# Allegro board BeagleBone AI -64_PCB_V1.02_211119.brd (continued)
## Copper pours and planes (outline as drawn; the poured copper is in the pictures) (continued)
VDD_CORE_0V8 on TOP: 22.51,28.45 22.51,31.6 22.05,32.06 16.41,32.06 16.24,31.88 16.24,31.17 16.49,30.91 17.28,30.91 17.35,30.99 20.73,30.99 20.99,30.74 20.99,29.64 20.73,29.39 17.89,29.39 17.74,29.24 17.74,29.06 17.86,28.93 20.48,28.93 21.24,28.17 22.23,28.17
VDD_CORE_0V8 on TOP: 33.31,17.71 34.65,17.71 35.19,18.24 36.89,18.24 37.09,18.04 37.09,16.26 36.79,15.95 33.33,15.95 32.85,16.44 32.85,17.25
VDD_CORE_0V8 on TOP: 48.27,33.71 46.62,33.71 46.23,33.33 44.53,33.33 44.25,33.61 44.25,34.95 44.61,35.31 48.27,35.31 48.6,34.98 48.6,34.04
VDD_CORE_0V8 on TOP: 48.14,17.86 46.03,17.86 45.6,18.29 43.9,18.29 43.57,17.96 43.57,16.61 43.95,16.23 48.19,16.23 48.52,16.56 48.52,17.48
VDD_CORE_0V8 on TOP: 37.42,35.23 32.65,35.23 32.39,34.98 32.39,33.91 32.59,33.71 34.93,33.71 35.26,33.38 37.34,33.38 37.6,33.63 37.6,35.05
VDD_CORE_0V8 on BOTTOM: 22.03,32.46 19.74,32.46 19.41,32.13 19.41,31.27 19.67,31.01 20.61,31.01 20.94,30.68 20.94,29.64 20.68,29.39 17.71,29.39 17.63,29.31 17.63,29.03 17.76,28.91 20.45,28.91 21.22,28.14 22.13,28.14 22.43,28.45 22.43,32.06
VDD_CORE_0V8 on L5-SIGNAL: 36.2,33.5 36.89,32.82 45.55,32.82 45.9,33.17 45.9,35.97 45.45,36.43 36.84,36.43 36.2,35.79
VDD_CORE_0V8 on L7-PWR/GND: -4.64,52.02 -7.56,54.94 -7.56,67.18 -7.33,67.41 -7.33,68.23 -7.69,68.58 -10.66,68.58 -14.65,64.59 -14.65,54.54 -12.26,52.15 -12.26,49.91 -10.89,48.54 -9.59,48.54 -9.32,48.26 -9.32,45.42 -8.48,44.58 -6.62,44.58 -6.5,44.71 -6.5,44.86 -6.39,44.96 -5.66,44.96 -4.74,44.05 -4.74,33.99 -7.89,30.84 -7.89,29.36 -6.83,28.3 33.56,28.3 35.36,30.1 35.36,32.67 35.92,33.22 45.55,33.22 45.83,33.5 45.83,36.45 45.02,37.26 36.02,37.26 34.47,38.81 3.69,38.81 1.58,40.92 1.58,50.62 0.18,52.02
VDD_CORE_0V8 on L10-SIGNAL: 45.98,15.6 36.79,15.6 35.74,16.64 35.74,22.18 36.48,22.91 46.01,22.91 46.69,22.23 46.69,16.31
VDD_CORE_0V8 on L12-SIGNAL: 40.95,18.19 40.95,20.22 40.27,20.91 40.27,29.49 36.33,33.43 36.33,35.82 36.68,36.17 45.29,36.17 49,32.46 49,15.52 48.67,15.19 39.55,15.19 38.94,15.8 36.68,15.8 35.77,16.71 35.77,17.91 36.02,18.16 37.32,18.16 37.55,17.93 40.7,17.93
VDD_CORE_0V8_REG_SW1 on TOP: 43.14,22.28 42.96,22.28 42.93,22.25 42.93,21.36 43.41,20.88 43.97,20.88 45.95,18.9 48.42,18.9 48.55,19.03 48.55,20.47 48.32,20.7 45.98,20.7 44.51,22.18 43.54,22.18 43.44,22.07 43.44,21.49 43.39,21.44 43.26,21.44 43.21,21.49 43.21,22.2
VDD_CORE_0V8_REG_SW2 on TOP: 37.06,22.2 36.13,22.2 34.96,21.03 33.08,21.03 32.72,20.68 32.72,19.1 32.98,18.85 34.63,18.85 36.66,20.88 37.22,20.88 37.73,21.39 37.73,22.23 37.67,22.28 37.45,22.28 37.42,22.25 37.42,21.49 37.37,21.44 37.24,21.44 37.22,21.46 37.22,22.05
VDD_CORE_0V8_REG_SW3 on TOP: 44.56,32.59 43.64,31.68 43.64,31.12 42.93,30.41 42.93,29.59 43.01,29.52 43.19,29.52 43.21,29.54 43.21,30.3 43.24,30.33 43.41,30.33 43.44,30.3 43.44,29.67 43.57,29.54 46.56,29.54 48.57,31.55 48.57,32.51 48.49,32.59
VDD_CORE_0V8_REG_SW4 on TOP: 37.7,29.57 37.7,30.53 37.55,30.68 36.84,30.68 36.15,31.37 36.15,32.03 35.62,32.56 32.75,32.56 32.67,32.49 32.67,31.17 32.77,31.07 34.73,31.07 36.28,29.52 37.14,29.52 37.22,29.59 37.22,30.28 37.24,30.3 37.42,30.3 37.45,30.28 37.45,29.57 37.5,29.52 37.65,29.52
VDD_CORE_RAM_0V85 on BOTTOM: 5.62,29.74 3.82,29.74 3.49,30.08 3.49,31.09 3.23,31.35 2.8,31.35 2.55,31.6 2.55,32.31 2.67,32.44 4.5,32.44 6,30.94 6,30.13
VDD_CORE_RAM_0V85 on L9-PWR/GND: -3.27,52.48 -3.27,51.03 -3.75,50.55 -4.51,50.55 -4.87,50.19 -4.87,48.41 -3.03,46.58 -2.52,46.58 -1.01,45.07 -1.01,41.58 -0.03,40.6 -0.03,37.35 4.38,32.95 4.38,31.62 4.04,31.29 2.5,31.29 -2.33,36.12 -2.33,43.51 -3.26,44.45 -3.96,44.45 -4.13,44.61 -4.13,44.61 -4.76,45.24 -5.53,45.24 -5.53,45.24 -6.73,45.24 -7.18,45.7 -7.18,49.51 -10.25,52.58 -10.25,53.09 -9.92,53.42 -6.98,53.42 -6.97,53.42 -4.21,53.42
VDD_CPU_AVS on TOP: 49.28,45.75 47.61,45.75 47.02,46.33 45.75,46.33 45.47,46.05 45.47,44.68 45.88,44.27 49.28,44.27 49.61,44.6 49.61,45.42
VDD_CPU_AVS on TOP: 11.72,61.14 11.72,64.09 11.84,64.21 12.35,64.21 12.53,64.03 12.53,61.19 12.93,60.78 12.93,59.89 13.29,59.54 14.48,59.54 14.99,60.05 14.99,61.6 14.74,61.85 13.77,61.85 13.54,62.08 13.54,62.74 13.75,62.94 14.81,62.94 15.3,63.43 15.3,65.76 14.99,66.07 9.46,66.07 9.1,65.71 9.1,64.62 8.36,63.88 8.36,63.17 8.26,63.07 7.3,63.07 7.17,62.94 7.17,61.6 7.55,61.22 9.05,61.22 9.23,61.04 9.23,59.54 9.35,59.41 11.56,59.41 11.87,59.72 11.87,60.99
VDD_CPU_AVS on TOP: 34.8,45.72 36.66,45.72 37.27,46.33 38.74,46.33 38.92,46.15 38.92,44.5 38.74,44.32 34.88,44.32 34.58,44.63 34.58,45.49
VDD_CPU_AVS on TOP: 49.28,61.77 47.63,61.77 47.25,61.39 45.55,61.39 45.27,61.67 45.27,63.02 45.62,63.37 49.28,63.37 49.61,63.04 49.61,62.1
VDD_CPU_AVS on BOTTOM: 27.11,54.31 21.44,54.31 21.16,54.59 21.16,55.5 21.62,55.96 27.11,55.96 27.41,55.65 27.41,54.61
VDD_CPU_AVS on L5-SIGNAL: -1.92,46.84 -4.08,46.84 -4.49,47.25 -4.49,51.64 -4.08,52.05 -3.75,52.05 -2.79,53.01 -0.55,53.01 -0.35,52.81 -0.35,48.9 -0.68,48.57 -1.39,48.57 -1.67,48.29 -1.67,47.09
VDD_CPU_AVS on L9-PWR/GND: -1.29,46.94 -2.81,46.94 -4.54,48.67 -4.54,49.68 -4.16,50.06 -3.75,50.06 -2.91,50.9 -2.91,58.14 2.57,63.63 15.58,63.63 20.91,58.29 31.2,58.29 35.97,53.52 40.32,53.52 42.35,51.49 42.35,48.97 42.53,48.79 45.04,48.79 47.35,46.48 47.35,44.91 46.97,44.53 36.46,44.53 34.52,46.46 34.52,47.73 30.32,51.93 30.33,51.94 30.33,53.39 29.42,54.31 16.24,54.31 12.66,50.73 0.31,50.73 -0.88,49.53 -0.88,47.35
VDD_CPU_AVS on L12-SIGNAL: 46.72,44.38 37.9,44.38 37.55,44.73 37.55,46 40.34,48.79 42.78,48.79 43.01,49.02 43.01,49.58 42.07,50.52 42.07,60.56 44.84,63.32 46.72,63.32 47.15,62.89 47.15,44.81
VDD_CPU_AVS_REG_SW1 on TOP: 45.19,50.24 45.02,50.24 44.99,50.22 44.99,49.33 45.47,48.85 46.03,48.85 48.01,46.86 49.49,46.86 49.74,47.12 49.74,48.41 49.49,48.67 48.04,48.67 46.56,50.14 45.6,50.14 45.5,50.04 45.5,49.46 45.45,49.4 45.32,49.4 45.27,49.46 45.27,50.17
VDD_CPU_AVS_REG_SW2 on TOP: 39.12,50.22 38.18,50.22 37.01,49.05 35.13,49.05 34.5,48.41 34.5,47.04 34.7,46.84 36.66,46.84 38.72,48.9 39.27,48.9 39.78,49.4 39.78,50.24 39.73,50.29 39.5,50.29 39.48,50.27 39.48,49.51 39.43,49.46 39.3,49.46 39.27,49.48 39.27,50.06
VDD_CPU_AVS_REG_SW3 on TOP: 45.7,59.64 45.7,59.08 44.99,58.37 44.99,57.56 45.07,57.48 45.24,57.48 45.27,57.51 45.27,58.27 45.29,58.29 45.47,58.29 45.5,58.27 45.5,57.63 45.62,57.51 46.21,57.51 47,58.29 48.75,58.29 49.49,59.03 49.49,60.5 49.36,60.63 46.69,60.63
VDD_CPU_RAM_0V85 on BOTTOM: 7.98,28.65 7.35,28.65 7.04,28.96 7.04,30.91 7.25,31.12 7.85,31.12 8.03,30.94 8.03,30.33 8.36,30 8.36,29.03
VDD_CPU_RAM_0V85 on L10-SIGNAL: -2.31,45.92 -4.13,45.92 -4.46,45.59 -4.46,38.86 4.93,29.47 7.68,29.47 8.03,29.82 8.03,30.56 -1.87,40.46 -1.87,45.49
VDD_DDR_1V1 on TOP: 27.97,32.59 11.87,32.59 10.52,31.24 9.1,31.24 8.57,31.78 6.92,31.78 6.66,32.03 6.66,34.52 4.81,36.37 4.81,37.92 5.01,38.13 5.44,38.13 5.57,38.25 5.57,48.85 4.73,49.68 4.73,50.04 4.91,50.22 11.87,50.22 15.83,54.18 30.41,54.18 31.07,53.52 31.07,49.05 30.87,48.85 30.87,46.71 31.07,46.51 32.26,46.51 32.72,46.05 32.72,44.5 32.42,44.2 30.69,44.2 30.13,43.64 30.13,36.65 30.44,36.35 31.53,36.35 31.98,35.89 31.98,33.76 31.32,33.1 28.48,33.1
VDD_DDR_1V1 on BOTTOM: 32.85,44.27 30.82,44.27 30.56,44.53 30.56,45.92 30.87,46.23 32.9,46.23 33.15,45.98 33.15,44.58
VDD_DDR_1V1 on L9-PWR/GND: 6.66,31.42 0.54,37.54 0.54,40.79 -0.55,41.89 -0.55,45.42 -1.31,46.18 -1.31,46.53 -1.19,46.66 -0.7,46.66 -0.53,46.84 -0.53,49.02 0.31,49.86 13.34,49.86 17.28,53.8 27.77,53.8 29.19,52.38 29.19,52.05 30.55,50.69 30.55,48.07 32.7,45.92 32.7,32.34 31.78,31.42
VDD_DDR_1V1_REG on TOP: 33.59,43.74 30.94,43.74 30.56,43.36 30.56,41.56 30.89,41.23 33.74,41.23 33.97,41.45 33.97,43.36
VDD_DDR_1V1_REG on BOTTOM: 30.97,43.79 33.64,43.79 33.99,43.44 33.99,41.58 33.79,41.38 30.82,41.38 30.54,41.66 30.54,43.36
VDD_DDR_1V8 on BOTTOM: 34.27,50.65 33.48,50.65 33.43,50.7 30.44,50.7 30.05,50.32 28.63,50.32 25.18,53.77 17.25,53.77 16.85,53.37 16.85,36.35 18.01,35.18 18.01,34.37 18.24,34.14 23.37,34.14 24.16,34.93 25.66,34.93 26.9,36.17 27.67,36.17 27.97,36.48 27.97,37.19 28.35,37.57 28.35,48.59 28.53,48.77 34.09,48.77 34.4,49.07 34.4,50.52
VDD_DDR_1V8 on L10-SIGNAL: 18.17,33.96 27.59,33.96 29.44,35.82 29.44,49.61 26.85,52.2 16.87,52.2 15.81,51.13 15.81,48.31 16.57,47.55 21.01,47.55 22.05,48.59 24.54,48.59 26.65,46.48 26.65,41.91 23.96,39.22 19.77,39.22 18.62,40.36 16.14,40.36 15.65,39.88 15.65,36.48
VDD_IO_1V8_REG on TOP: 35.16,25.66 34.12,25.66 33.89,25.43 33.89,24.79 34.09,24.59 34.98,24.59 35.39,25 35.39,25.43
VDD_IO_1V8_REG on BOTTOM: 34.83,24.87 34.83,25.6 33.86,26.57 33.86,27.99 33.66,28.2 31.45,28.2 31.3,28.04 31.3,25.76 32.7,24.36 34.32,24.36
VDD_MCU_0V85 on TOP: -18.94,33.07 -16.96,33.07 -16.81,33.22 -16.81,33.81 -17.01,34.01 -18.69,34.01 -19.15,33.55 -19.15,33.28
VDD_MCU_0V85 on TOP: -17.04,31.9 -19.04,31.9 -19.32,31.62 -19.32,31.32 -19.2,31.19 -16.86,31.19 -16.76,31.29 -16.76,31.62
VDD_MCU_0V85 on TOP: -16.94,30.46 -19.12,30.46 -19.48,30.1 -19.48,29.19 -19.2,28.91 -16.68,28.91 -16.5,29.08 -16.5,30.02
VDD_MCU_0V85 on BOTTOM: 36.56,58.85 34.22,58.85 33.1,59.97 33.1,60.43 33.31,60.63 36.53,60.63 36.76,60.4 36.76,59.06
VDD_MCU_0V85 on L8-PWR/GND: -9.75,48.49 -14.88,48.49 -18.99,44.38 -18.99,36.22 -20.72,34.49 -20.72,16.89 -19.07,15.24 16.54,15.24 27.92,26.62 43.03,26.62 51.31,34.9 51.31,49.43 46.92,53.82 46.92,57.96 41.54,63.35 33.51,63.35 32.47,62.31 32.47,59.44 33.23,58.68 37.4,58.68 39.38,56.69 39.38,48.59 45.73,42.24 45.73,38 43.77,36.04 36.76,36.04 32.72,32.01 23.83,32.01 12.78,20.96 -15.94,20.96 -16.58,21.59 -16.58,25.76 -12.19,30.15 -12.19,31.68 -11.2,32.67 -11.2,43.41 -9.04,45.57 -9.04,47.78
VDD_MCU_0V85_REG on TOP: 38.44,63.3 34.73,63.3 34.37,62.94 34.37,61.88 34.47,61.77 36.48,61.77 36.81,61.44 38.36,61.44 38.61,61.7 38.61,63.12
VDD_MCU_0V85_REG on BOTTOM: 38.51,63.04 37.45,63.04 37.32,62.92 37.32,58.95 37.45,58.83 38.08,58.83 38.31,59.06 38.31,61.19 38.64,61.52 38.64,62.92
VDD_MCU_0V85_REG_SW on TOP: 39.76,57.56 39.76,58.52 39.6,58.68 38.89,58.68 38.21,59.36 38.21,60.02 37.65,60.58 34.55,60.58 34.47,60.5 34.47,59.29 34.7,59.06 36.79,59.06 38.33,57.51 39.2,57.51 39.27,57.58 39.27,58.27 39.3,58.29 39.48,58.29 39.5,58.27 39.5,57.56 39.55,57.51 39.71,57.51
VDD_MCU_RAM_0V85 on TOP: -14.14,30.84 -14.14,33.53 -13.79,33.89 -13.3,33.89 -13.15,34.04 -13.15,34.55 -13.35,34.75 -14.22,34.75 -15.21,33.76 -15.21,30.79 -15.01,30.58 -14.4,30.58
VDD_MCU_RAM_0V85 on L5-SIGNAL: -14.29,32.64 -14.29,33.02 -13.15,34.16 -13.15,34.95 -13.28,35.08 -13.28,37.82 -9.32,41.78 -9.32,49.76 -9.42,49.86 -10.05,49.86 -10.15,49.76 -10.15,49.25 -12.41,46.99 -12.41,44.76 -13.96,43.21 -13.96,39.35 -15.34,37.97 -15.34,32.62 -15.16,32.44 -14.5,32.44
VDD_MMC1 on TOP: -30.35,56.8 -32.71,56.8 -32.81,56.69 -32.81,56.36 -32.68,56.24 -31.01,56.24 -30.85,56.08 -30.85,55.81 -30.7,55.65 -30.14,55.65 -29.97,55.83 -29.97,56.41
VDD_MMC1 on BOTTOM: -32.35,53.54 -31.44,53.54 -31.06,53.93 -31.06,54.21 -31.08,54.23 -31.08,55.42 -30.88,55.63 -30.25,55.63 -30.12,55.75 -30.12,56.47 -30.3,56.64 -32.4,56.64 -32.79,56.26 -32.79,55.12 -32.86,55.04 -33.22,55.04 -33.42,54.84 -33.42,53.65 -33.29,53.52 -33.04,53.52 -32.91,53.65 -32.91,54.48 -32.86,54.54 -32.51,54.54 -32.43,54.46 -32.43,53.62
VDD_PHYIO_1V8 on TOP: 52,54.66 50.48,54.66 50.3,54.48 50.3,53.19 50.83,52.66 50.83,50.62 50.98,50.47 52.2,50.47 52.36,50.62 52.36,54.31
VDD_PHYIO_1V8 on BOTTOM: 19.21,54.36 20.3,54.36 20.4,54.46 20.4,55.2 20.12,55.48 19.44,55.48 19.26,55.65 18.88,55.65 18.62,55.4 18.62,54.94
VDD_PHYIO_1V8 on L7-PWR/GND: 23.12,60.86 23.12,58.17 23.45,57.84 49.46,57.84 52.25,55.04 52.25,53.54 51.82,53.11 50.45,53.11 50.02,53.54 50.02,54.41 49.79,54.64 47.66,54.64 47.38,54.36 19.16,54.36 18.8,54.71 18.8,55.6 20.73,57.53 20.73,59.13 20.15,59.72 14.23,59.72 13.77,60.17 13.77,63.76 12.22,65.3 -0.65,65.3 -0.68,65.28 -4.72,65.28 -5.38,65.94 -5.38,68.05 -6.6,69.27 -11.09,69.27 -16.12,64.24 -16.12,54.79 -13,51.67 -13,49.84 -10.23,47.07 -10.23,29.87 -10.81,29.29 -14.45,29.29 -17.6,32.44 -17.6,49.66 -18.54,50.6 -21.28,50.6 -21.61,50.93 -21.61,63.32 -14.42,70.51 -4.11,70.51 -1.67,68.07 12.5,68.07 18.5,62.08 21.9,62.08
VDD_PHYIO_1V8 on L8-PWR/GND: -11.68,29.21 -11.68,31.32 -10.76,32.23 -3.42,32.23 -2.66,31.47 -2.66,28.47 -3.5,27.64 -10.1,27.64
VDD_PHYIO_1V8_REG_SW on TOP: 47.86,53.27 46.06,53.27 46.01,53.21 46.01,53.04 46.06,52.99 47.05,52.99 47.43,52.6 47.43,52.27 48.04,51.67 48.04,51.03 48.49,50.57 49.38,50.57 49.56,50.75 49.56,52.6 49.45,52.72 48.41,52.72
VDD_RAM_0V85_REG on TOP: 49.61,26.42 48.09,26.42 47.91,26.24 47.91,24.94 48.44,24.41 48.44,22.38 48.6,22.23 49.82,22.23 49.97,22.38 49.97,26.06
VDD_RAM_0V85_REG on BOTTOM: 5.44,29.01 6.46,29.01 6.94,28.53 6.94,28.09 6.66,27.81 5.52,27.81 5.21,28.12 5.21,28.78
VDD_RAM_0V85_REG on L9-PWR/GND: 49.33,26.85 48.09,26.85 47.86,26.62 47.86,25.22 47.5,24.87 41.61,24.87 35.92,30.56 5.95,30.56 5.06,29.67 5.06,28.02 6.84,26.24 30.74,26.24 34.86,22.12 48.8,22.12 49.69,23.01 49.69,26.49
VDD_RAM_0V85_REG_SW on TOP: 45.8,25.27 44,25.27 43.95,25.22 43.95,25.05 44,25 44.99,25 45.37,24.61 45.37,24.28 45.78,23.88 45.78,22.43 45.95,22.25 47,22.25 47.28,22.53 47.28,23.8
VDD_SD_DV on BOTTOM: 33.53,19.64 35.97,19.64 36.13,19.48 36.13,18.77 35.97,18.62 33.53,18.62 33.31,18.85 33.31,19.41
VDD_SD_DV on L5-SIGNAL: -10.46,49.31 -10.46,49.84 -10.71,50.09 -19.86,50.09 -19.86,50.09 -22.06,50.09 -22.39,50.42 -28.44,50.42 -28.92,49.94 -28.92,48.64 -28.59,48.31 -21.3,48.31 -21.13,48.13 -11.63,48.13
VDD_SD_DV on L7-PWR/GND: -18.36,49.94 -21.36,49.94 -21.74,49.56 -21.74,30.56 -14.4,23.22 13.24,23.22 13.67,23.65 17.35,23.65 24.54,16.46 35.67,16.46 36.33,17.12 36.33,19.36 36.05,19.64 25.53,19.64 19.13,26.04 -12.16,26.04 -18.15,32.03 -18.15,49.73
VDD_SD_DV on L8-PWR/GND: -27.6,49.58 -27.6,54.94 -26.51,56.03 -26.51,57.23 -26.74,57.46 -30.35,57.46 -31.52,56.29 -31.52,51.72 -29.05,49.25 -27.93,49.25
VDD_SD_DV_REG on TOP: 34.04,21.85 34.68,21.85 35.49,22.66 35.49,22.79 35.39,22.89 34.14,22.89 33.86,22.61 33.86,22.02
VDD_SD_DV_REG on BOTTOM: 35.11,22.84 33.81,22.84 33.36,22.38 33.36,20.5 33.66,20.19 34.78,20.19 35.06,20.47 35.06,22.02 35.26,22.23 35.26,22.68
VDDA_0P8_CSIRX on BOTTOM: -7.05,31.35 -7.05,34.47 -7.18,34.6 -8.1,34.6 -8.2,34.49 -8.2,31.32 -8.02,31.14 -7.26,31.14
VDDA_0P8_CSIRX on L8-PWR/GND: -7.26,34.22 -7.26,42.52 -8.2,43.46 -8.71,43.46 -8.83,43.33 -8.83,34.24 -8.58,33.99 -7.49,33.99
VDDA_0P8_DP on BOTTOM: -0.93,29.9 -0.93,32.28 -1.24,32.59 -1.24,34.47 -1.49,34.72 -1.92,34.72 -2.05,34.6 -2.05,33.96 -1.9,33.81 -1.9,29.85 -1.62,29.57 -1.26,29.57
VDDA_0P8_DP on L5-SIGNAL: -1.82,34.14 -1.87,34.14 -3.35,35.61 -3.35,41.78 -3.73,42.17 -3.73,44.12 -3.6,44.25 -2.94,44.25 -2.2,43.51 -2.2,37.54 -0.25,35.59 -0.25,34.52 -0.7,34.06 -1.75,34.06
VDDA_0P8_DP_C on TOP: -0.91,29.95 -0.91,32.34 -1.24,32.67 -1.24,33.33 -2.08,34.16 -2.46,34.16 -2.58,34.04 -2.58,33.81 -2.08,33.3 -2.08,30.1 -1.64,29.67 -1.19,29.67
VDDA_0P8_DP_C on L5-SIGNAL: -3.63,41.61 -3.98,41.96 -3.98,43.26 -4.21,43.49 -4.92,43.49 -5.35,43.05 -5.35,37.95 -5.94,37.36 -5.94,34.52 -4.51,33.1 -2.03,33.1 -1.85,33.28 -1.85,33.71 -3.63,35.49
VDDA_0P8_DSITX on TOP: -7.31,36.04 -7.97,36.04 -8.3,35.71 -8.3,31.32 -8.1,31.12 -7.28,31.12 -7.03,31.37 -7.03,35.76
VDDA_0P8_DSITX on L5-SIGNAL: -5.71,38 -5.71,44.27 -5.96,44.53 -7.56,44.53 -7.82,44.27 -7.82,43.66 -6.95,42.8 -6.95,39.6 -8.05,38.51 -8.05,34.98 -7.79,34.72 -6.95,34.72 -6.65,35.03 -6.65,37.06
VDDA_0P8_PLL_DDR on TOP: 3.92,28.89 4.66,28.89 4.8,29.03 4.8,30.89 4.81,30.89 4.81,31.42 4.81,33.33 4.65,33.48 4.1,33.48 3.77,33.15 3.77,29.04
VDDA_0P8_PLL_DDR on L5-SIGNAL: 4.4,32.08 2.47,32.08 0.29,34.27 0.29,35.79 -1.26,37.34 -1.26,47.4 -1.14,47.52 0.13,47.52 0.26,47.4 0.26,37.59 1.21,36.64 1.21,36.41 4.6,33.02 4.6,32.28
VDDA_0P8_SERDES on TOP: -12.95,63.83 -12.95,64.7 -12.8,64.85 -12.8,65.46 -12.72,65.53 -12.47,65.53 -12.34,65.41 -12.34,64.42 -12.24,64.31 -12.24,63.91 -12.44,63.7 -12.82,63.7
VDDA_0P8_SERDES on BOTTOM: -11.98,66.17 -12.64,66.17 -12.85,65.97 -12.85,63.88 -12.72,63.76 -11.98,63.76 -11.83,63.91 -11.83,66.02
VDDA_0P8_SERDES on L8-PWR/GND: -3.91,53.44 -3.24,54.1 -3.24,59.18 -4.29,60.22 -11.75,60.22 -12.08,60.56 -12.08,65.33 -12.34,65.58 -19.17,65.58 -20.44,64.31 -20.44,54.38 -19.5,53.44
VDDA_0P8_SERDES_C on TOP: -5.81,65.97 -5.81,68.33 -6.12,68.63 -6.62,68.63 -6.8,68.45 -6.8,65.91 -6.62,65.74 -6.04,65.74
VDDA_0P8_SERDES_C on BOTTOM: -5.48,67.31 -6.6,67.31 -6.8,67.11 -6.8,66.12 -6.52,65.84 -5.45,65.84 -5.15,66.14 -5.15,66.98
VDDA_0P8_SERDES_C on L5-SIGNAL: -3.27,54.89 -6.93,54.89 -7.16,55.12 -7.16,55.4 -6.52,56.03 -6.52,61.49 -7.54,62.51 -7.54,67.01 -7.26,67.29 -4.72,67.29 -3.35,65.91 -3.35,55.88 -3.09,55.63 -3.09,55.07
VDDA_1P8_CSI_RX on TOP: -9.42,31.04 -9.42,33.25 -10.03,33.86 -10.03,34.67 -10.15,34.8 -10.51,34.8 -10.61,34.7 -10.61,33.5 -10.2,33.1 -10.2,31.01 -10.03,30.84 -9.62,30.84
VDDA_1P8_CSI_RX on L5-SIGNAL: -10.61,32.95 -10.61,38.94 -8.86,40.69 -8.86,42.32 -8.48,42.7 -7.41,42.7 -7.18,42.47 -7.18,40.13 -9.39,37.92 -9.39,32.67 -9.57,32.49 -10.15,32.49
VDDA_1P8_DP on TOP: -3.78,31.09 -4.54,31.09 -4.87,31.42 -4.87,32.16 -5.12,32.41 -5.12,35.16 -4.85,35.43 -3.78,35.43 -3.6,35.26 -3.6,34.9 -3.75,34.75 -4.24,34.75 -4.44,34.55 -4.44,34.04 -4.03,33.63 -4.03,32.51 -3.55,32.03 -3.55,31.32
VDDA_1P8_DP on L9-PWR/GND: -2.58,43.41 -3.91,43.41 -4.26,43.05 -4.26,34.9 -4.06,34.7 -3.45,34.7 -2.89,35.26 -2.89,42.47 -2.46,42.9 -2.46,43.28
VDDA_1P8_DSITX on BOTTOM: -3.83,31.19 -4.72,31.19 -4.9,31.37 -4.9,32.18 -5.15,32.44 -5.15,34.22 -5.38,34.44 -5.38,34.7 -5.84,35.16 -5.84,35.59 -5.71,35.71 -4.59,35.71 -4.44,35.56 -4.44,34.04 -4.06,33.66 -4.06,32.44 -3.6,31.98 -3.6,31.42
VDDA_1P8_DSITX on L9-PWR/GND: -4.59,37.27 -4.59,36.1 -4.59,36.1 -4.59,34.39 -4.85,34.14 -5.18,34.14 -6.59,35.56 -6.59,43.8 -6.14,44.25 -4.97,44.25 -4.76,44.05 -4.76,37.45
VDDA_1P8_SERDES on BOTTOM: 20.05,58.8 18.35,58.8 18.14,58.6 18.14,57.35 19.34,56.16 20.25,56.16 20.55,56.47 20.55,58.29
VDDA_1P8_SERDES on L7-PWR/GND: -6.88,57 -5.12,58.75 7.22,58.75 9.76,56.21 12.99,56.21 15.81,59.03 19.62,59.03 20.07,58.57 20.07,57.66 17.93,55.51 17.93,54.22 16.52,52.81 -4.39,52.81 -6.88,55.3
VDDA_LM5141 on L12-SIGNAL: 19.87,11.38 16.39,11.38 14.99,12.78 14.99,14.61 15.73,15.34 17.18,15.34 20.25,12.27 20.25,11.76
(no net) on TOP: outline of 118 points within -46.81,-1.78 53.88,75.9 ; 67 cut-outs
(no net) on BOTTOM: outline of 110 points within -46.81,-1.78 53.88,75.9 ; 75 cut-outs
(no net) on L3-SIGNAL: outline of 110 points within -46.81,-1.78 53.88,75.9 ; 93 cut-outs
(no net) on L5-SIGNAL: outline of 110 points within -46.81,-1.78 53.88,75.9 ; 95 cut-outs
(no net) on L10-SIGNAL: outline of 110 points within -46.81,-1.78 53.88,75.9 ; 92 cut-outs
(no net) on L12-SIGNAL: outline of 110 points within -46.81,-1.78 53.88,75.9 ; 86 cut-outs
DC_VDD_5V on TOP: 38.61,11.13 38.92,10.82 38.92,8.94 38.59,8.61 35.57,8.61 32.72,5.77 30.89,5.77 30.31,5.18 23.93,5.18 23.55,5.56 23.55,7.9 23.81,8.15 29.34,8.15 30.22,9.03 30.22,10.58 30.77,11.13
DC_VDD_5V on BOTTOM: 38.18,10.47 37.37,10.47 37.17,10.26 37.17,9.22 37.57,8.82 39.1,8.82 39.6,9.32 39.6,10.29 39.76,10.44 40.44,10.44 40.52,10.52 40.52,10.75 40.47,10.8 38.51,10.8
DC_VDD_5V on BOTTOM: 14.89,25.33 14.89,26.98 14.59,27.28 13.14,27.28 12.66,26.8 12.66,19.56 13.09,19.13 15.02,19.13 15.32,19.43 15.32,24.89
DC_VDD_5V on L3-SIGNAL: 26.93,6.78 17.15,6.78 12.73,11.2 12.73,20.17 13.09,20.52 17.46,20.52 18.07,19.92 18.07,13.87 19.92,12.02 26.8,12.02 27.51,11.3 27.51,7.37
MB_3V3 on TOP: -42.92,21.87 -45.69,21.87 -46.6,20.96 -46.6,15.47 -46.17,15.04 -44.85,15.04 -44.7,15.19 -44.7,19.69 -44.32,20.07 -42.87,20.07 -42.69,20.25 -42.69,21.64
MB_5V on BOTTOM: -42.36,15.7 -39.77,15.7 -39.57,15.9 -39.57,17.98 -38.75,18.8 -37.41,18.8 -36.98,18.37 -36.98,15.42 -37.59,14.81 -39.57,14.81 -39.77,15.01 -42.34,15.01 -42.56,15.24 -42.56,15.5
PHY_VDD_1V1 on TOP: -21.43,23.98 -21.43,26.24 -21.28,26.39 -19.12,26.39 -18.66,25.93 -18.66,25.25 -18.87,25.05 -19.6,25.05 -19.98,24.66 -19.98,23.88 -20.29,23.57 -21.02,23.57
PHY_VDD_1V1 on L5-SIGNAL: -26.89,31.85 -35.15,31.85 -35.35,32.06 -35.35,32.97 -31.64,36.68 -27.83,36.68 -26.59,35.43 -26.59,32.16
PHY_VDD_1V1 on L9-PWR/GND: -24.86,26.19 -25.72,27.05 -28.52,27.05 -28.95,27.48 -28.95,29.8 -28.75,30 -26.21,30 -25.57,30.63 -25.57,31.9 -25.7,32.03 -26.69,32.03 -26.79,31.93 -27.48,31.93 -27.6,32.06 -27.6,35.69 -27.37,35.92 -26.46,35.92 -26.28,35.74 -20.8,35.74 -19.93,34.88 -19.93,24.59 -20.52,24 -24.3,24 -24.86,24.56
PHY_VDDA_2V5 on BOTTOM: -38.22,29.67 -38.04,29.49 -37.1,29.49 -36.95,29.64 -36.95,32.79 -37.18,33.02 -38.07,33.02 -38.22,32.87
PHY_VDDIO_3V3 on TOP: -26.66,23.88 -26.66,25.17 -26.77,25.27 -26.77,25.81 -26.51,26.06 -24.25,26.06 -24.05,25.86 -24.05,25.22 -24.3,24.97 -24.96,24.97 -25.27,24.66 -25.27,23.85 -25.65,23.47 -26.26,23.47
PHY_VDDIO_3V3 on L9-PWR/GND: -25.5,24.46 -25.5,25.99 -26.23,26.72 -29.66,26.72 -29.97,27.03 -29.97,29.72 -29.13,30.56 -26.54,30.56 -26.21,30.89 -26.21,31.6 -26.38,31.78 -26.77,31.78 -26.84,31.7 -28.49,31.7 -29,32.21 -29,38.86 -30.37,40.24 -34.92,40.24 -35.83,39.32 -35.83,37.49 -33.47,35.13 -33.47,25.15 -32.33,24 -25.95,24
SW_LM5141 on TOP: 26.14,18.77 26.14,20.45 26.37,20.68 28.07,20.68 28.63,20.12 28.96,20.12 29.14,19.94 29.14,19.15 28.68,18.7 27.49,18.7 27.44,18.75 27.44,19.28 27.39,19.33 27.26,19.33 27.24,19.31 27.24,18.75 27.16,18.67 26.83,18.67 26.78,18.72 26.78,19.31 26.75,19.33 26.63,19.33 26.6,19.31 26.6,18.75 26.55,18.7 26.22,18.7
SW_LM5141 on BOTTOM: 19.51,17.73 20.99,19.2 24.9,19.2 25.18,19.48 25.18,20.14 25.38,20.35 28.71,20.35 29.17,19.89 29.17,18.47 29.34,18.29 29.34,16.26 29.17,16.08 20.1,16.08 19.92,15.9 19.59,15.9 19.51,15.98
TPS62813_SW on TOP: 37.22,40.18 34.3,40.18 33.38,39.27 30.54,39.27 30.38,39.12 30.38,37.01 30.56,36.83 33.92,36.83 35.24,38.15 35.24,39.88 35.31,39.96 37.22,39.96 37.29,40.03 37.29,40.11
TYPEC_VBUS_5V on BOTTOM: 41.03,10.75 43.57,10.75 43.9,10.42 44.53,10.42 44.68,10.26 44.68,9.73 47.02,7.39 47.02,5.77 46.77,5.51 45.4,5.51 44.53,4.65 44.53,4.42 44.41,4.29 43.64,4.29 43.47,4.47 43.47,6.5 43.75,6.78 43.75,8.05 43.57,8.23 42.68,8.23 41.79,9.12 41.79,10.26 41.59,10.47 41.03,10.47 40.95,10.54 40.95,10.67
TYPEC_VBUS_5V on L9-PWR/GND: 39.1,3.58 35.97,3.58 35.69,3.86 35.69,7.19 38.97,10.47 45.29,10.47 46.49,9.27 46.49,4.42 46.21,4.14 43.62,4.14 43.34,4.42 43.34,5.95 43.08,6.2 40.67,6.2 39.45,4.98 39.45,3.94
VDA_DLL_0V8 on TOP: 5.32,29.19 5.32,30.69 5.47,30.84 6.92,30.84 7.02,30.74 7.02,29.29 6.71,28.99 5.52,28.99
VDA_DLL_0V8 on L7-PWR/GND: 12.68,56.75 13.16,57.23 13.16,63.32 11.69,64.8 8.36,64.8 8.11,64.54 8.11,59.11 10.47,56.75
VDA_DLL_0V8 on L8-PWR/GND: 38.11,52.66 35.44,52.66 34.47,53.62 33.15,53.62 32.65,53.11 32.65,50.62 34.86,48.41 34.86,45.09 29.04,39.27 18.5,39.27 8.87,29.64 4.83,29.64 4.4,30.08 4.4,34.88 15.91,46.38 31.65,46.38 31.93,46.66 31.93,47.8 30.18,49.56 30.18,55.25 31.83,56.9 37.45,56.9 38.61,55.73 38.61,53.16
VDA_DLL_0V8 on L10-SIGNAL: 12.15,57.1 17.63,57.1 18.22,56.52 28.25,56.52 28.33,56.59 31.83,56.59 32.14,56.29 32.62,56.29 33.76,55.14 36.84,55.14 37.24,54.74 37.24,53.14 36.91,52.81 32.06,52.81 30.41,54.46 25.15,54.46 24.26,53.57 13.32,53.57 11.87,55.02 11.87,56.82
VDA_MCU_1V8 on TOP: 37.04,55.27 36.23,55.27 36.05,55.09 36.05,54.26 36.38,53.93 37.57,53.93 37.75,54.1 37.75,54.56
VDA_MCU_1V8 on L9-PWR/GND: -17.47,47.93 -17.47,47.96 -17.27,48.17 -11.23,48.17 -11.2,48.13 -11.2,47.7 -11.35,47.55 -11.86,47.55 -12.01,47.4 -12.01,46.99 -12.13,46.86 -12.67,46.86 -12.8,46.74 -12.8,44.05 -12.06,43.31 -12.06,42.12 -12.39,41.79 -12.82,41.79 -18.46,36.15 -25.5,36.15 -26.77,37.42 -26.77,37.75 -31.57,42.55 -31.57,63.63 -22.17,73.03 11.74,73.03 13.44,71.32 18.78,71.32 21.19,68.91 47.48,68.91 50.48,65.91 50.48,56.29 48.29,54.1 36.3,54.1 35.92,54.48 35.92,57.58 36.51,58.17 42.27,58.17 42.83,58.73 42.83,62.99 41.15,64.67 35.31,64.67 34.58,65.41 32.8,65.41 32.06,64.67 19.69,64.67 16.36,68 12.17,68 11.26,68.91 -17.55,68.91 -27.07,59.39 -27.07,43.23 -25.85,42.01 -23.39,42.01
VDA_PLL_1V8 on TOP: -9.11,65.74 -9.77,65.74 -9.93,65.89 -9.93,66.73 -10.2,67.01 -10.99,67.01 -11.2,66.8 -11.2,65.91 -10.94,65.66 -10.94,65.03 -11.09,64.87 -11.09,64.29 -10.86,64.06 -9.59,64.06 -8.86,64.8 -8.86,65.48
VDA_PLL_1V8 on TOP: 34.14,27.31 34.88,27.31 35.9,26.29 35.9,26.09 35.77,25.96 34.14,25.96 33.92,26.19 33.92,27.08
VDA_PLL_1V8 on BOTTOM: -7.79,64.97 -8.73,64.97 -8.91,65.15 -8.91,65.58 -9.04,65.71 -10,65.71 -10.15,65.56 -10.15,64.97 -10.28,64.85 -10.99,64.85 -11.17,64.67 -11.17,63.88 -10.86,63.58 -8.02,63.58 -7.61,63.98 -7.61,64.8
VDA_PLL_1V8 on L3-SIGNAL: -0.7,42.98 -0.7,55.63 -7.69,62.61 -9.82,62.61 -10.33,63.12 -10.33,63.86 -8.96,65.23 -8.96,66.42 -9.9,67.36 -13.15,67.36 -13.86,66.65 -13.86,61.65 -13.1,60.89 -11.27,60.89 -10.38,60 -10.38,56.47 -12.31,54.54 -12.31,49.13 -11.63,48.44 -8.93,48.44 -8.71,48.21 -8.71,46.31 -8.48,46.08 -5.15,46.08 -1.72,42.65 -1.04,42.65
VDA_PLL_1V8 on L7-PWR/GND: -42.97,36.63 -39.8,36.63 -31.49,28.32 -31.49,21.29 -25.72,15.52 2.32,15.52 7.52,10.31 43.31,10.31 44.68,11.69 44.68,21.11 43.87,21.92 42.14,21.92 40.47,23.6 36.53,23.6 33.97,26.16 33.97,26.93 34.25,27.2 43.92,27.2 49.41,21.72 49.41,8.89 46.87,6.35 3.87,6.35 -1.16,11.38 -35.17,11.38 -37.79,14 -37.79,29.36 -43.4,34.98 -43.4,36.2
